# Allegro board 1155001-Timing_board_V3_20241024_1805_pcb.brd (continued)
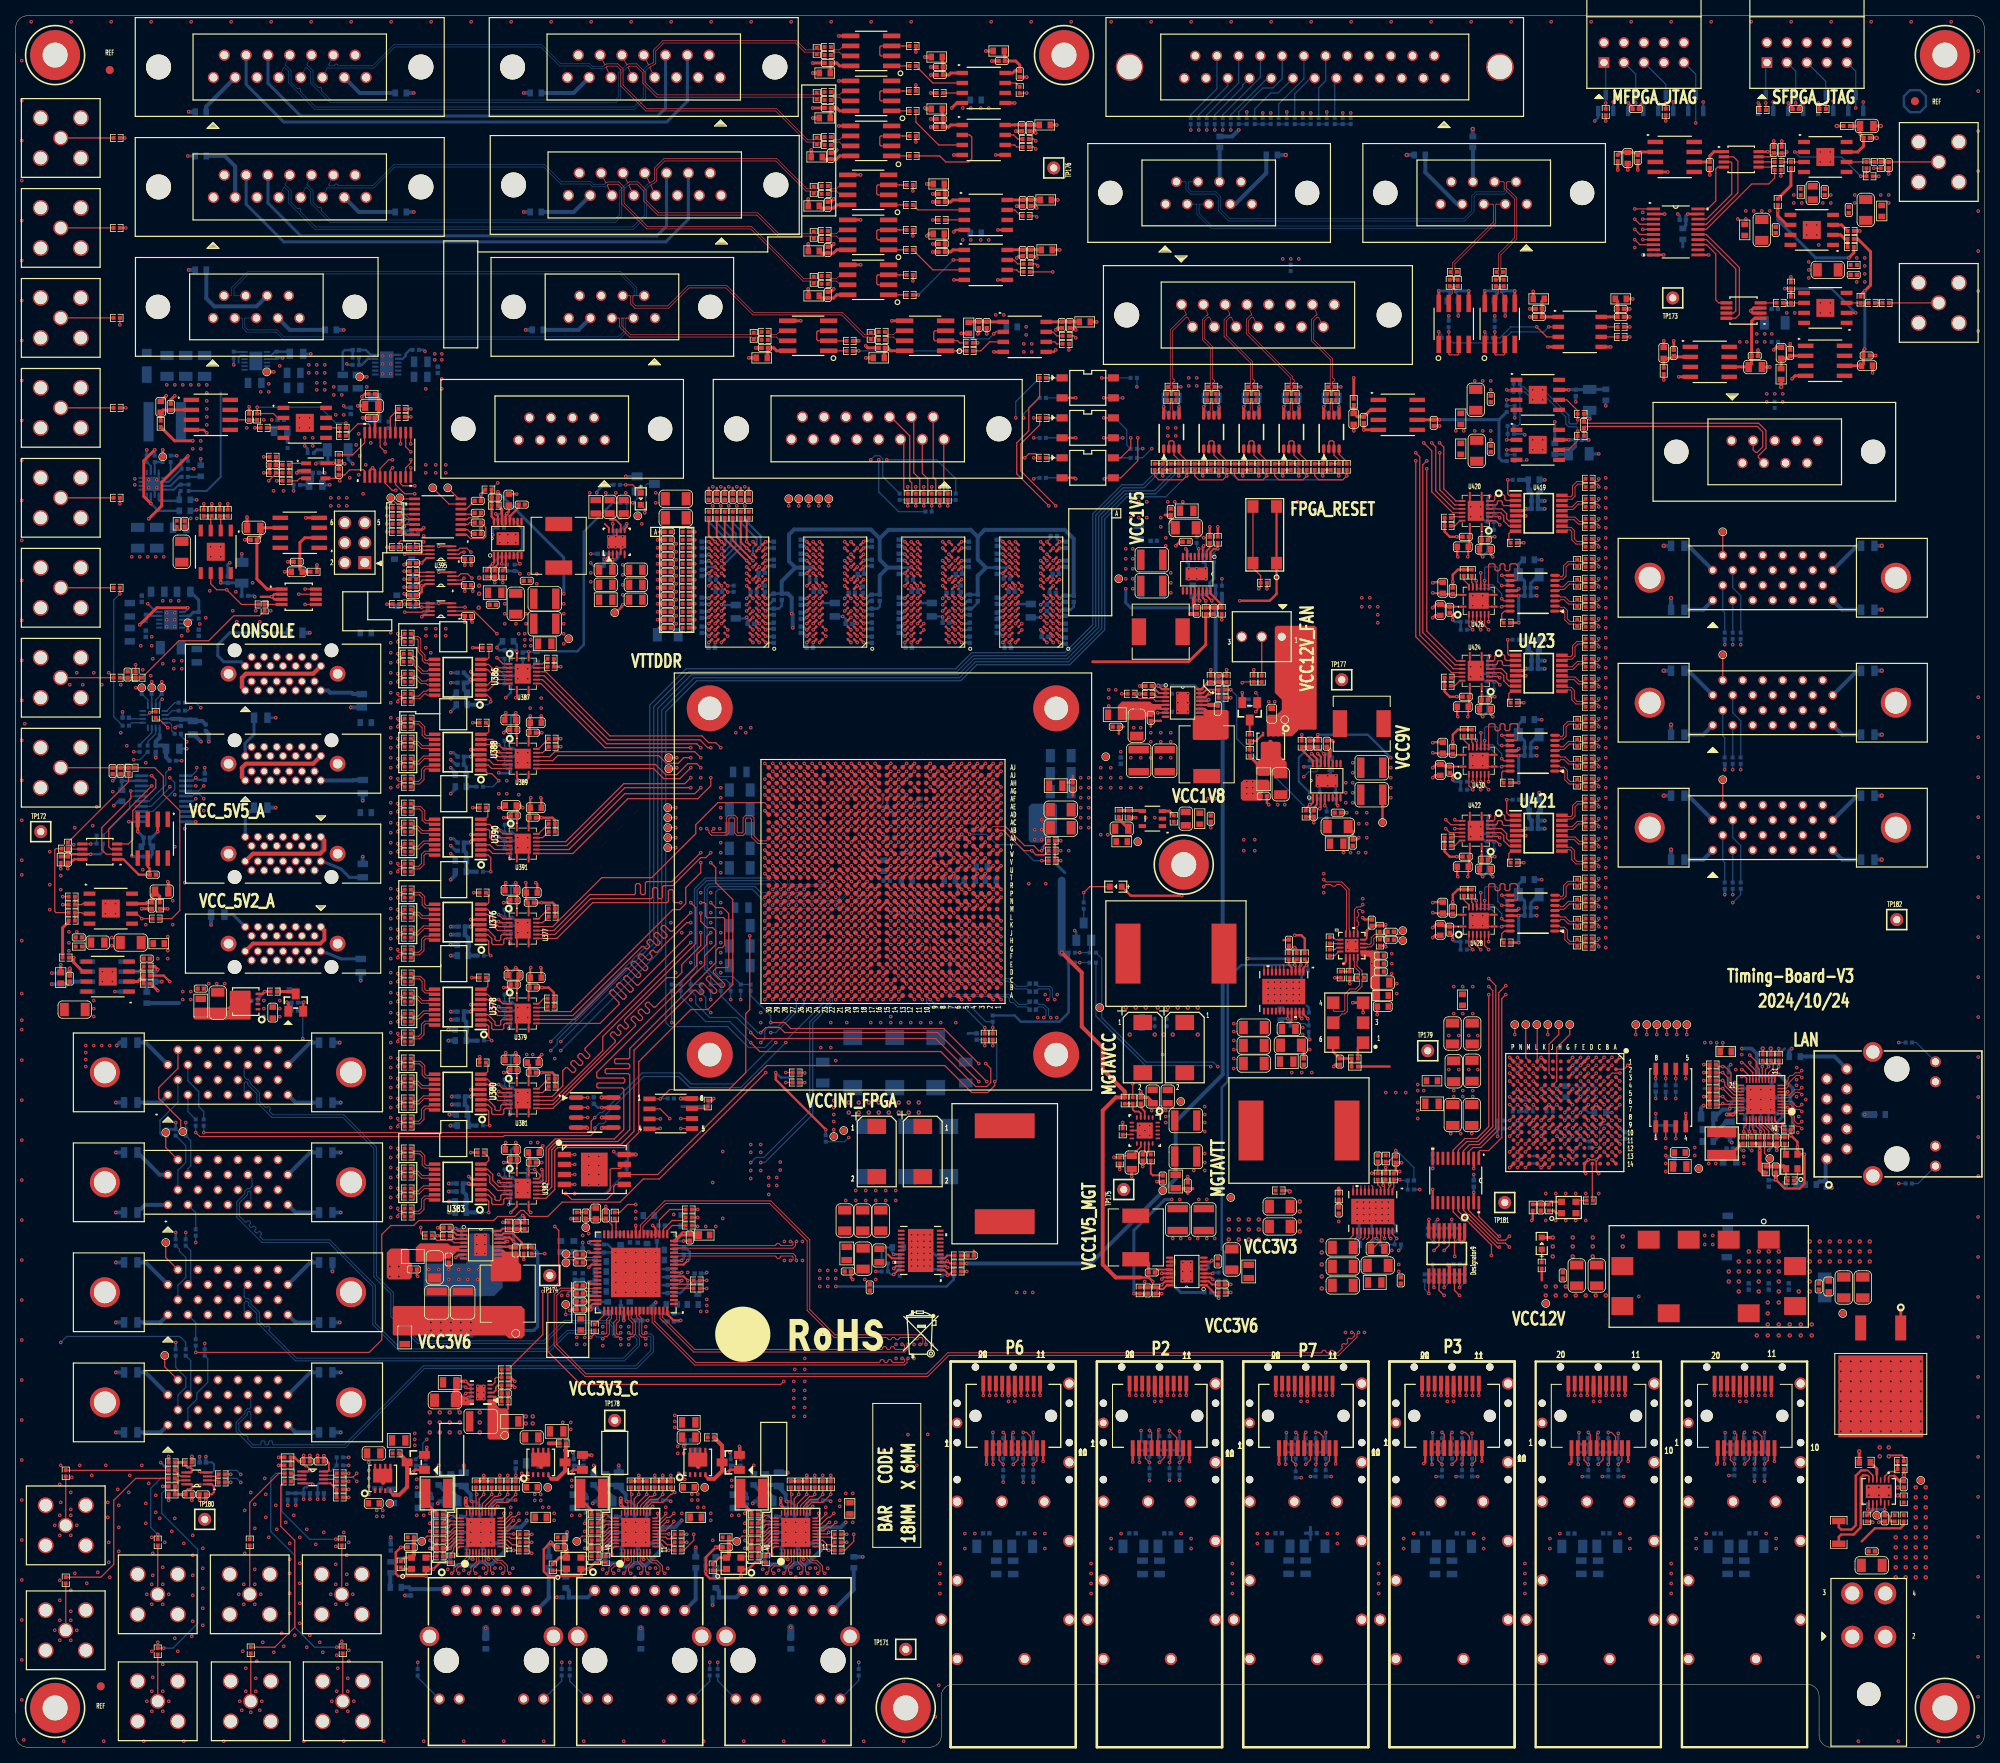
[diagram p0: board, top side]
## Routing (per net, layer and track width the routed paths; a pad name or vN(x,y) marks a point on that pad's centre or on a via; arc(x,y) is an arc through that point) (continued)
DDR3_A_CAS_B: length 110.1
  TOP w0.254: U75.K3 v1(117.72,148.37) ; U76.K3 v1(130.17,148.37) ; U78.K3 v1(105.27,148.37) ; U77.K3 v1(92.83,148.37) ; U247.AG9 v1(116.14,122) ; R481.2 v1(86.23,146.3)
  ART05 w0.102: 115.09,125.3 115.62,124.77 115.62,124.69 115.77,124.54 116.28,124.54 116.54,124.28 116.54,122.4 v1(116.14,122) ; v1(92.83,148.37) 93.23,148.77 104.87,148.77 v1(105.27,148.37) 105.67,148.77 117.32,148.77 v1(117.72,148.37) 118.12,148.77 129.77,148.77 v1(130.17,148.37) U76.K3 131.97,147.97 132.3,147.64
  ART05 w0.183: 115.09,125.3 112.06,128.33 112.06,133.95 112.25,134.13 114.59,134.13 114.78,134.31 114.78,134.68 114.59,134.86 112.25,134.86 112.06,135.05 112.06,135.53 112.25,135.72 114.92,135.72 115.1,135.9 115.1,136.27 114.92,136.45 112.25,136.45 112.06,136.63 112.06,136.99 112.26,137.19 116.12,137.19 117.41,138.48 128.12,138.48 129.24,139.59 132.41,139.59 133.22,140.4 133.22,146.71 132.3,147.64
  ART08 w0.102: v1(86.23,146.3) 87.12,147.19 87.12,147.32 88.17,148.37 v1(92.83,148.37)
DDR3_A_CKE: length 105.1
  TOP w0.254: U78.K9 v1(100.47,147.57) ; R483.2 v1(86.23,145.29) ; U76.K9 v1(125.37,147.57) ; U247.AE10 v1(116.14,120) ; U75.K9 v1(112.92,147.57) ; U77.K9 v1(88.03,147.57)
  ART08 w0.102: v1(125.37,147.57) 124.96,147.97 U75.K9 v1(112.92,147.57) 112.52,147.97 U78.K9 v1(100.47,147.57) 100.07,147.97 U77.K9 v1(88.03,147.57) 88.03,147.21 86.23,145.41 v1(86.23,145.29)
  ART08 w0.183: v1(125.37,147.57) 124.9,147.11 124.9,140.32 124.06,139.48 113.88,139.48 113.69,139.29 113.69,138.87 113.51,138.68 113.15,138.68 112.96,138.87 112.96,139.29 112.78,139.48 112,139.48 111.63,139.11 111.63,138.07 111.82,137.88 114.7,137.88 114.89,137.7 114.89,137.34 114.7,137.15 111.84,137.15 111.66,136.97 111.66,136.6 111.84,136.42 114.7,136.42 114.89,136.24 114.89,135.87 114.7,135.69 111.79,135.69 111.61,135.51 111.61,135.14 111.79,134.96 114.7,134.96 114.89,134.78 114.89,134.41 114.7,134.23 113.52,134.23 113.33,134.04 113.33,133.6 113.52,133.41 113.82,133.41 114.01,133.23 114.01,132.86 113.82,132.68 113.52,132.68 113.33,132.5 113.33,130.25 114.89,128.7 114.89,121.25 v1(116.14,120)
DDR3_A_CLK0_N: length 102.5
  TOP w0.183: U77.K7 v1(90.43,147.57) ; v1(115.32,147.57) 114.92,147.96 U75.K7 ; U76.K7 127.37,147.97 127.76,147.57 v1(127.77,147.57) ; U78.K7 102.47,147.96 v1(102.87,147.57) ; U247.AD11 v1(115.14,119)
  ART05 w0.102: v1(115.14,119) 114.84,119 114.74,119.1 114.74,120.83 112.74,122.83 112.74,125.43 112.79,125.47 112.79,125.5
  ART05 w0.145: 112.79,125.5 112.79,125.85 110.89,127.74 110.89,127.95 110.59,128.26 110.37,128.26 110.06,128.57 110.06,128.78 109.76,129.09 109.54,129.09 109.23,129.4 109.23,129.61 108.93,129.92 108.71,129.92 108.4,130.23 108.4,131.87 108.09,132.19 106.97,132.19 106.83,132.33 106.83,132.91 106.97,133.06 108.09,133.06 108.4,133.38 108.4,134.2 108.09,134.52 106.97,134.52 106.83,134.66 106.83,135.24 106.97,135.39 108.09,135.39 108.4,135.71 108.4,136.53 108.09,136.85 106.97,136.85 106.83,137 106.83,137.58 106.97,137.72 108.09,137.72 108.4,138.04 108.4,139.51 108.55,139.65 127.39,139.65 128.88,141.14 128.88,146.86 128.42,147.32 128.01,147.32 v1(127.77,147.57) 127.49,147.29 127.3,147.29 126.94,146.94 116.57,146.94 116.14,147.37 115.52,147.37 v1(115.32,147.57) 115,147.25 114.8,147.25 114.56,147.01 104.88,147.01 104.54,147.35 103.09,147.35 102.87,147.57 v1(102.87,147.57) 102.6,147.3 102.4,147.3 102.18,147.07 91.84,147.07 91.55,147.36 90.64,147.36 v1(90.43,147.57)
  BOTTOM w0.183: v1(90.43,147.57) 90.45,147.59 R488.2
DDR3_A_CLK0_P: length 102.1
  TOP w0.183: U77.J7 v1(90.43,146.77) ; U78.J7 v1(102.87,146.77) ; U247.AD12 v1(114.14,119) ; U76.J7 v1(127.76,146.77) ; U75.J7 v1(115.32,146.77)
  ART05 w0.102: 112.49,125.5 112.49,125.47 112.54,125.43 112.54,122.75 114.54,120.75 114.54,119.1 114.44,119 v1(114.14,119)
  ART05 w0.145: 102.87,146.77 102.86,146.77 102.65,146.98 102.51,146.98 102.3,146.78 91.72,146.78 91.43,147.06 90.72,147.06 v1(90.43,146.77) ; 102.87,146.77 v1(102.87,146.77) ; 102.87,146.77 103.15,147.05 104.42,147.05 104.76,146.71 114.68,146.71 114.93,146.96 115.13,146.96 v1(115.32,146.77) 115.62,147.07 116.02,147.07 116.45,146.64 127.06,146.64 127.42,147 127.54,147 v1(127.76,146.77) 128.02,147.02 128.3,147.02 128.58,146.74 128.58,145.66 128.43,145.51 128.43,145.07 128.58,144.92 128.58,144.48 128.43,144.33 128.43,143.9 128.58,143.74 128.58,141.26 127.27,139.95 124.19,139.95 124.04,140.1 123.61,140.1 123.46,139.95 123.02,139.95 122.87,140.1 122.43,140.1 122.28,139.95 108.43,139.95 108.11,139.63 108.11,138.16 107.96,138.02 106.85,138.02 106.53,137.7 106.53,136.87 106.85,136.55 107.96,136.55 108.11,136.41 108.11,135.83 107.96,135.69 106.85,135.69 106.53,135.37 106.53,134.54 106.85,134.22 107.96,134.22 108.11,134.08 108.11,133.5 107.96,133.35 106.85,133.35 106.53,133.04 106.53,132.21 106.85,131.89 107.96,131.89 108.11,131.75 108.11,130.1 112.49,125.72 112.49,125.5
  BOTTOM w0.183: v1(90.43,146.77) 90.45,146.79 R488.1
DDR3_A_D0: length 30.9
  TOP w0.254: U75.E3 v1(118.52,144.37) ; U247.AK6 v1(120.14,125)
  ART10 w0.102: 120.45,143.08 120.35,143.17 119.08,143.17 118.92,143.33 118.92,143.97 v1(118.52,144.37)
  ART10 w0.183: v1(120.14,125) 120.14,125.38 120.5,125.74 120.5,125.75 122.15,127.4 122.15,129.96 122.49,130.29 122.49,131.98 123.4,132.9 123.4,136.57 122.01,137.96 122.01,142.36 121.73,142.64 121.48,142.64 121.29,142.46 121.29,139.9 121.11,139.72 120.85,139.72 120.67,139.9 120.67,142.86 120.45,143.08
DDR3_A_D1: length 34.5
  TOP w0.254: U247.AG7 v1(119.14,122) ; U75.F7 v1(114.52,144.37)
  ART10 w0.102: 119.53,127.33 119.53,127.31 119.49,127.26 119.49,126.82 119.01,126.34 119.01,125.44 118.74,125.17 118.74,122.4 v1(119.14,122) ; 114.77,145.57 114.33,145.57 114.12,145.36 114.12,144.57 114.32,144.37 v1(114.52,144.37)
  ART10 w0.183: 119.53,127.33 120.67,128.47 120.67,136.96 119.6,138.03 118.88,138.03 117.04,139.86 117.04,142.47 115.98,143.54 115.98,144.55 117.17,145.74 117.17,146.31 116.67,146.81 116.41,146.81 115.17,145.57 114.77,145.57
DDR3_A_D2: length 31.5
  TOP w0.254: U247.AJ6 v1(120.14,124) ; U75.F2 v1(119.32,144.37)
  ART10 w0.102: v1(119.32,144.37) 119.72,143.97 120.37,143.97
  ART10 w0.183: 120.37,143.97 121.31,143.97 122.51,142.77 122.51,138.15 123.89,136.77 123.89,131.97 123.7,131.78 123.17,131.78 122.98,131.6 122.98,131.23 123.17,131.05 123.71,131.05 123.89,130.87 123.89,130.38 123.58,130.07 123.14,130.07 122.96,129.88 122.96,129.52 123.14,129.33 123.71,129.33 123.89,129.15 123.89,128.89 123.64,128.64 122.82,128.64 122.64,128.46 122.64,128.09 122.82,127.91 123.71,127.91 123.89,127.72 123.89,127.41 123.88,127.39 123.88,127.28 123.67,127.08 122.52,127.08 120.68,125.23 120.68,124.87 120.14,124.34 v1(120.14,124)
DDR3_A_D3: length 31.4
  TOP w0.254: U247.AK8 v1(118.14,124) ; U75.F8 v1(113.72,144.37)
  ART10 w0.102: v1(118.14,124) 118.2,124.06 118.2,126.76 118.56,127.12 118.56,127.58 ; v1(113.72,144.37) 114.12,143.97 114.12,142.55 114.16,142.51
  ART10 w0.183: 114.16,142.51 114.16,141.36 114.64,140.88 114.93,140.88 115.52,141.47 115.78,141.47 116.04,141.21 116.04,140.95 115.45,140.36 115.45,140.08 117.48,138.05 117.48,136.48 118.56,135.4 118.56,134.16 118.74,133.98 119.22,133.98 119.41,133.79 119.41,133.43 119.22,133.24 118.74,133.24 118.56,133.06 118.56,132.7 118.74,132.51 119.31,132.51 119.5,132.33 119.5,131.96 119.31,131.78 118.74,131.78 118.56,131.6 118.56,131.23 118.74,131.05 119.31,131.05 119.5,130.87 119.5,130.5 119.31,130.32 118.74,130.32 118.56,130.14 118.56,129.77 118.74,129.59 119.31,129.59 119.5,129.4 119.5,129.04 119.31,128.86 118.74,128.86 118.56,128.67 118.56,127.58
DDR3_A_D4: length 28.5
  TOP w0.254: U247.AK4 v1(122.14,125) ; U75.H3 v1(118.52,145.97)
  ART10 w0.102: 120.37,145.57 118.92,145.57 v1(118.52,145.97)
  ART10 w0.183: v1(122.14,125) 122.5,125 123.6,126.1 124.07,126.1 124.87,126.9 124.87,137.17 123.49,138.55 123.49,144.39 122.31,145.57 120.37,145.57
DDR3_A_D5: length 31.5
  TOP w0.254: U75.H8 v1(113.72,145.97) ; U247.AJ8 v1(118.14,123)
  ART10 w0.102: v1(118.14,123) 117.74,123.4 117.74,125.18 117.79,125.23 117.79,126.96 118.07,127.24 118.07,127.71 ; 113.32,140.18 113.32,145.7 113.59,145.97 v1(113.72,145.97)
  ART10 w0.183: 118.07,127.71 118.07,135.2 116.47,136.8 116.47,137.06 116.99,137.58 116.99,137.84 116.73,138.1 116.47,138.1 115.95,137.58 115.69,137.58 115.43,137.84 115.43,138.09 115.96,138.62 115.96,138.88 115.7,139.14 115.44,139.14 114.91,138.61 114.66,138.61 114.4,138.87 114.4,139.13 114.69,139.42 114.69,139.68 114.43,139.94 114.17,139.94 113.88,139.65 113.62,139.65 113.32,139.95 113.32,140.18
DDR3_A_D6: length 29.2
  TOP w0.254: U247.AK5 v1(121.14,125) ; U75.G2 v1(119.32,145.17)
  ART10 w0.102: v1(119.32,145.17) 119.72,144.77 120.37,144.77
  ART10 w0.183: v1(121.14,125) 121.14,124.6 121.31,124.43 121.5,124.43 121.68,124.61 121.68,125.43 121.86,125.61 122.38,125.61 122.74,125.97 122.74,126.41 122.92,126.59 123.87,126.59 124.38,127.1 124.38,136.97 123,138.35 123,142.87 122.15,143.72 122.15,143.98 122.55,144.37 122.55,144.63 122.29,144.89 122.03,144.89 121.63,144.49 121.37,144.49 121.1,144.77 120.37,144.77
DDR3_A_D7: length 33.9
  TOP w0.254: U247.AF8 v1(118.14,121) ; U75.H7 v1(114.52,145.97)
  ART10 w0.102: 117.58,127.91 117.58,127.49 117.39,127.29 117.39,125.39 117.33,125.33 117.33,124.43 117.54,124.22 117.54,121.6 v1(118.14,121)
  ART10 w0.183: v1(114.52,145.97) 113.55,146.94 111.47,146.94 111.14,146.61 111.14,146.15 112.48,144.8 112.48,139.97 117.58,134.87 117.58,127.91
DDR3_A_D8: length 27.8
  TOP w0.254: U247.AJ3 v1(122.14,123) ; U75.D7 v1(114.52,142.77)
  ART03 w0.102: 121.25,125.47 121.54,125.18 121.54,124.51 121.67,124.38 121.67,123.47 v1(122.14,123) ; v1(114.52,142.77) 114.12,142.37 114.12,140.03
  ART03 w0.183: 114.12,140.03 114.12,139.75 113.87,139.5 113.87,139.2 114.14,138.93 114.4,138.93 114.71,139.23 114.97,139.23 115.23,138.97 115.23,138.71 114.92,138.41 114.92,138.15 115.18,137.89 115.44,137.89 115.61,138.06 115.86,138.06 116.12,137.8 116.12,137.54 115.95,137.37 115.95,137.12 118.4,134.67 118.4,128.32 118.7,128.02 118.7,127.76 118.4,127.47 118.4,127.21 118.66,126.95 118.92,126.95 119.21,127.25 119.47,127.25 121.25,125.47
DDR3_A_D9: length 26.3
  TOP w0.254: U247.AH2 v1(124.14,123) ; U75.C3 v1(118.52,141.97)
  ART03 w0.102: v1(124.14,123) 123.71,123.43 123.71,125.31 123.9,125.5
  ART03 w0.183: 123.9,125.5 124.05,125.65 124.05,128.74 121.21,131.57 121.21,132.01 121.4,132.19 121.69,132.19 121.89,132.4 121.89,132.72 121.69,132.92 121.4,132.92 121.21,133.11 121.21,136.99 120.45,137.75 120.45,138.01 120.78,138.35 120.78,138.61 120.52,138.86 120.26,138.86 119.95,138.55 119.58,138.55 117.33,140.81 117.33,141.26 117.57,141.5 118.05,141.5 v1(118.52,141.97)
DDR3_A_D10: length 29.8
  TOP w0.254: U75.C8 v1(113.72,141.97) ; U247.AH6 v1(120.14,123)
  ART03 w0.102: 112.57,142.37 113.32,142.37 v1(113.72,141.97) ; v1(120.14,123) 119.68,123.45 119.68,124.26 119.43,124.51 118.77,124.51
  ART03 w0.183: 112.57,142.37 112.4,142.37 112.37,142.4 112.37,143 112.11,143.26 111.22,143.26 110.98,143.02 110.98,140.71 117.42,134.26 117.42,124.84 117.75,124.51 118.77,124.51
DDR3_A_D11: length 23.4
  TOP w0.254: U75.C2 v1(119.32,141.97) ; U247.AJ1 v1(125.14,124)
  ART03 w0.102: v1(125.14,124) 125.14,124.3 125.63,124.79 125.63,125.5 ; v1(119.32,141.97) 119.72,141.57 120.43,141.57
  ART03 w0.183: 120.43,141.57 122.04,141.57 123.46,140.15 123.46,137.99 123.93,137.53 123.93,133.43 125.63,131.73 125.63,125.5
DDR3_A_D12: length 29.3
  TOP w0.254: U247.AJ4 v1(122.14,124) ; U75.A7 v1(114.52,140.37)
  ART03 w0.102: v1(122.14,124) 122.14,124.42 121.74,124.82 121.74,125.5
  ART03 w0.183: v1(114.52,140.37) 116.04,138.85 116.04,138.57 116.42,138.19 116.7,138.19 117.07,137.82 117.07,137.56 116.76,137.26 116.76,137 117.02,136.74 117.28,136.74 117.59,137.05 117.84,137.05 118.1,136.79 118.1,136.46 117.84,136.2 117.84,135.92 118.89,134.87 118.89,130.76 119.66,129.99 119.66,129.4 118.96,128.71 118.96,128.46 119.24,128.19 119.49,128.19 120.55,129.25 120.81,129.25 121.07,128.99 121.07,128.73 120.01,127.67 120.01,127.41 120.21,127.21 120.47,127.21 121.46,128.2 121.72,128.2 121.98,127.94 121.98,127.68 121.06,126.76 121.06,126.36 121.74,125.68 121.74,125.5
DDR3_A_D13: length 24.8
  TOP w0.254: U75.A2 v1(119.32,140.37) ; U247.AK1 v1(125.14,125)
  ART03 w0.102: 120.34,140.77 119.61,140.77 119.32,140.48 v1(119.32,140.37) ; 125.14,125.5 v1(125.14,125)
  ART03 w0.183: 120.34,140.77 120.67,140.45 121.21,140.45 121.39,140.26 121.39,140.01 121.2,139.82 121.2,139.56 121.43,139.33 121.82,139.33 122,139.52 122.26,139.52 122.52,139.26 122.52,139 122.27,138.75 122.27,138.5 123.44,137.33 123.44,132.21 123.62,132.03 124.63,132.03 124.82,131.85 124.82,131.48 124.63,131.3 123.62,131.3 123.44,131.12 123.44,130.75 123.62,130.57 124.96,130.57 125.14,130.38 125.14,125.5
DDR3_A_D14: length 29.7
  TOP w0.254: U75.B8 v1(113.72,141.17) ; U247.AH5 v1(121.14,123)
  ART03 w0.102: v1(113.72,141.17) 113.32,141.57 112.64,141.57 112.63,141.58 ; 120.61,125.42 120.7,125.33 120.7,123.44 v1(121.14,123)
  ART03 w0.183: 120.61,125.42 120.35,125.68 119.77,125.68 119.59,125.86 119.59,126.23 119.41,126.42 119.04,126.42 118.86,126.23 118.86,125.4 118.68,125.22 118.09,125.22 117.91,125.4 117.91,134.47 112.3,140.08 112.3,140.36 111.93,140.74 111.64,140.74 111.39,140.99 111.39,141.39 111.57,141.58 112.63,141.58
DDR3_A_D15: length 26.8
  TOP w0.254: U247.AJ2 v1(124.14,124) ; U75.A3 v1(118.52,140.37)
  ART03 w0.102: 124.54,125.5 124.54,124.4 v1(124.14,124)
  ART03 w0.183: v1(118.52,140.37) 119.46,139.44 120.64,139.44 121.6,138.47 121.6,138.21 121.27,137.88 121.27,137.62 121.53,137.36 121.79,137.36 122.12,137.69 122.38,137.69 122.95,137.12 122.95,136.81 122.77,136.63 121.88,136.63 121.7,136.45 121.7,136.08 121.88,135.9 122.4,135.9 122.58,135.71 122.58,135.35 122.4,135.17 121.88,135.17 121.7,134.98 121.7,134.62 121.88,134.43 122.77,134.43 122.95,134.25 122.95,133.89 122.77,133.7 122.33,133.7 122.15,133.52 122.15,133.15 122.33,132.97 122.77,132.97 122.95,132.79 122.95,130.52 124.54,128.94 124.54,125.5
DDR3_A_D16: length 46.7
  TOP w0.254: U247.AE4 v1(122.14,120) ; U76.E3 v1(130.97,143.57)
  ART10 w0.102: 125.64,118.68 125.39,118.68 125.31,118.6 122.8,118.6 122.61,118.8 122.61,119.13 122.14,119.59 v1(122.14,120) ; v1(130.97,143.57) 131.37,143.17 131.98,143.17 132.17,142.98 132.17,140.15
  ART10 w0.183: 132.17,140.15 132.17,139.68 132.35,139.5 132.82,139.5 133.01,139.68 133.01,141.98 133.19,142.16 133.56,142.16 133.74,141.98 133.74,139.06 133.56,138.88 133.2,138.88 133.01,138.69 133.01,138.33 133.2,138.15 133.56,138.15 133.74,137.96 133.74,136.9 135.16,135.48 135.16,130.6 133.31,128.75 133.31,128.49 133.49,128.31 133.68,128.31 133.86,128.13 133.86,127.76 133.68,127.58 133.15,127.58 132.97,127.4 132.97,127.03 133.15,126.85 133.73,126.85 133.91,126.66 133.91,126.3 133.73,126.12 133.15,126.12 132.97,125.93 132.97,124.74 126.91,118.68 125.64,118.68
DDR3_A_D17: length 45.1
  TOP w0.254: U247.AE3 v1(123.14,120) ; U76.F7 v1(126.97,144.37)
  ART10 w0.102: 126.09,120.9 125.79,120.6 123.4,120.6 123.14,120.34 v1(123.14,120) ; 126.7,142.27 126.57,142.4 126.57,143.97 v1(126.97,144.37)
  ART10 w0.183: 126.09,120.9 127.65,122.46 127.65,122.71 127.47,122.89 127.47,123.15 127.73,123.41 127.99,123.41 128.16,123.23 128.42,123.23 128.68,123.49 128.68,123.75 128.05,124.38 128.05,124.64 128.31,124.9 128.56,124.9 129.2,124.27 129.46,124.27 130.63,125.44 130.63,127.41 127.91,130.12 127.91,134.43 128.14,134.65 128.14,135.39 127.96,135.57 127.96,135.93 128.14,136.12 129.85,136.12 130.04,136.3 130.04,136.67 129.85,136.85 128.14,136.85 127.96,137.03 127.96,137.4 128.14,137.58 129.85,137.58 130.04,137.76 130.04,138.13 129.85,138.31 128.14,138.31 127.96,138.5 127.96,138.86 128.14,139.04 128.96,139.04 129.14,139.23 129.14,139.59 128.96,139.78 128.14,139.78 127.96,139.96 127.96,141 127.78,141.19 127.52,141.19 127.4,141.07 127.14,141.07 126.89,141.33 126.89,141.59 126.98,141.69 126.98,141.98 126.7,142.27
DDR3_A_D18: length 46.7
  TOP w0.254: U247.AF5 v1(121.14,121) ; U76.F2 v1(131.77,144.37)
  ART10 w0.102: v1(121.14,121) 121.49,121 121.74,120.75 121.74,118.83 122.18,118.4 125.39,118.4 125.6,118.19 125.91,118.19 ; 133.05,143.84 132.92,143.97 131.9,143.97 131.77,144.1 v1(131.77,144.37)
  ART10 w0.183: 125.91,118.19 127.11,118.19 135.12,126.2 135.12,126.59 134.94,126.77 134.48,126.77 134.3,126.95 134.3,127.32 134.48,127.5 134.94,127.5 135.12,127.69 135.12,128.05 134.94,128.23 134.56,128.23 134.38,128.42 134.38,128.78 134.56,128.97 134.94,128.97 135.65,129.67 135.65,136.35 134.94,137.06 134.67,137.06 134.49,137.24 134.49,137.61 134.67,137.79 134.94,137.79 135.12,137.97 135.12,138.36 134.69,138.79 134.41,138.79 134.23,138.97 134.23,139.34 134.41,139.52 134.68,139.52 134.87,139.7 134.87,140.07 134.68,140.25 134.41,140.25 134.23,140.43 134.23,140.8 134.41,140.98 134.68,140.98 134.87,141.16 134.87,142.02 134.01,142.87 133.32,142.87 133.11,143.09 133.11,143.77 133.05,143.84
DDR3_A_D19: length 41.6
  TOP w0.254: U76.F8 v1(126.17,144.37) ; U247.AF1 v1(125.14,121)
  ART10 w0.102: 125.77,140.17 125.77,144.21 125.93,144.37 v1(126.17,144.37)
  ART10 w0.183: 125.77,140.17 125.77,140.15 125.93,139.98 125.93,139.72 125.47,139.26 125.47,138.93 125.66,138.74 125.99,138.74 127.03,139.78 127.36,139.78 127.56,139.57 127.56,139.24 126.57,138.25 126.57,138 127.43,137.14 127.43,129.27 127.66,129.04 128.3,129.04 128.48,128.86 128.48,128.5 128.3,128.31 127.66,128.31 127.47,128.13 127.47,127.76 127.66,127.58 128.7,127.58 128.89,127.4 128.89,127.05 128.7,126.87 127.67,126.87 127.47,126.67 127.47,126.32 127.66,126.14 128.83,126.14 129.01,125.95 129.01,125.59 128.83,125.4 127.67,125.4 127.47,125.2 127.47,123.84 127.07,123.44 126.59,123.44 126.41,123.62 125.78,123.62 125.6,123.44 124.8,123.44 124.58,123.21 124.58,122.83 124.76,122.64 126.41,122.64 126.59,122.46 126.59,122.09 126.41,121.91 125.76,121.91 125.58,121.73 125.58,121.18 125.39,121 v1(125.14,121)
DDR3_A_D20: length 46
  TOP w0.254: U247.AF6 v1(120.14,121) ; U76.H3 v1(130.96,145.97)
  ART10 w0.102: v1(120.14,121) 120.59,120.55 121.36,120.55 121.54,120.37 121.54,117.96 121.89,117.6 125.32,117.6 125.43,117.7 125.64,117.7 ; v1(130.96,145.97) 130.96,145.08 131.28,144.77 132.92,144.77 133.06,144.64
  ART10 w0.183: 133.06,144.64 135.2,142.5 136.13,140.24 136.13,127.37 135.53,125.93 127.31,117.7 125.64,117.7
DDR3_A_D21: length 43.2
  TOP w0.254: U76.H8 v1(126.17,145.97) ; U247.AF2 v1(123.14,121)
  ART10 w0.102: v1(123.14,121) 123.14,121.21 123.62,121.69 123.62,124.13 123.96,124.47 125.64,124.47
  ART10 w0.183: 125.64,124.47 125.74,124.47 125.91,124.64 126.8,124.64 126.98,124.82 126.98,125.19 126.8,125.37 125.77,125.37 125.59,125.55 125.59,125.92 125.77,126.1 126.8,126.1 126.98,126.28 126.98,126.65 126.8,126.83 126.25,126.83 126.06,127.01 126.06,128.52 126.25,128.71 126.76,128.71 126.94,128.89 126.94,129.26 126.76,129.44 126.25,129.44 126.06,129.62 126.06,129.99 126.25,130.17 126.76,130.17 126.94,130.35 126.94,130.72 126.76,130.9 126.25,130.9 126.06,131.08 126.06,131.45 126.25,131.63 126.76,131.63 126.94,131.82 126.94,132.18 126.76,132.36 126.25,132.36 126.06,132.55 126.06,132.91 126.25,133.1 126.76,133.1 126.94,133.28 126.94,133.64 126.76,133.83 126.25,133.83 126.06,134.01 126.06,134.38 126.25,134.56 126.76,134.56 126.94,134.74 126.94,135.11 126.76,135.29 126.25,135.29 126.06,135.47 126.06,135.84 126.25,136.02 126.76,136.02 126.94,136.2 126.94,136.57 126.76,136.75 126.25,136.75 126.06,136.94 126.06,137.64 124.69,139.01 124.69,146.16 125.03,146.49 125.98,146.49 126.17,146.31 v1(126.17,145.97)
DDR3_A_D22: length 47.3
  TOP w0.254: U76.G2 v1(131.77,145.17) ; U247.AE5 v1(121.14,120)
  ART10 w0.102: v1(131.77,145.17) 132.17,145.57 132.81,145.57 132.92,145.47 ; v1(121.14,120) 120.74,119.6 120.74,117.83 121.18,117.4 125.32,117.4 125.51,117.22 125.68,117.22
  ART10 w0.183: 125.68,117.22 127.52,117.22 136.62,126.32 136.62,141.76 135.42,142.96 135.42,143.22 135.55,143.36 135.55,143.62 135.3,143.88 135.04,143.88 134.9,143.74 134.64,143.74 134.38,144 134.38,144.26 134.64,144.51 134.64,144.77 134.38,145.03 134.12,145.03 133.87,144.78 133.61,144.78 132.92,145.47
DDR3_A_D23: length 45.3
  TOP w0.254: U76.H7 v1(126.97,145.97) ; U247.AG5 v1(121.14,122)
  ART10 w0.102: v1(121.14,122) 121.44,122 121.95,122.52 122.36,122.52 122.66,122.81 122.66,123.6 123.57,124.51 123.57,125.2 123.83,125.45 123.98,125.45 ; v1(126.97,145.97) 127.36,146.37 127.36,147.86
  ART10 w0.183: 123.98,125.45 124.43,125.45 125.58,126.59 125.58,137.44 124.18,138.84 124.18,146.28 123.34,147.12 123.34,147.93 123.16,148.12 122.15,148.12 121.97,148.3 121.97,148.84 122.17,149.05 123.37,149.05 124.09,148.32 124.09,147.35 124.28,147.17 124.64,147.17 124.83,147.35 124.83,148.55 125.01,148.73 125.48,148.73 125.66,148.55 125.66,148.21 125.84,148.03 126.21,148.03 126.39,148.21 126.39,148.55 126.57,148.73 127.61,148.73 127.74,148.6 127.74,148.23 127.36,147.86
DDR3_A_D24: length 39.6
  TOP w0.254: U76.D7 v1(126.97,142.77) ; U247.AD4 v1(122.14,119)
  ART03 w0.102: v1(122.14,119) 122.28,119 122.56,119.28 122.56,120.47 122.68,120.6 125.4,120.6 125.65,120.85 125.85,120.85 126.01,121.01 ; 126.72,139.8 126.57,139.96 126.57,142.62 126.72,142.77 v1(126.97,142.77)
  ART03 w0.183: 126.72,139.8 127.04,139.48 127.04,138.51 127.23,138.33 128.24,138.33 128.43,138.14 128.43,137.78 128.24,137.59 127.35,137.59 127.16,137.41 127.16,137.04 127.35,136.86 128.24,136.86 128.43,136.68 128.43,136.31 128.24,136.13 127.04,136.13 126.86,135.95 126.86,135.58 127.04,135.4 128.41,135.4 128.6,135.22 128.6,134.85 128.41,134.67 127.08,134.67 126.88,134.47 126.88,133.86 127.43,133.31 127.43,129.77 127.62,129.59 128.19,129.59 128.37,129.4 128.37,129.04 128.19,128.86 127.62,128.86 127.43,128.67 127.43,128.31 127.62,128.12 127.85,128.12 128.03,127.94 128.03,127.58 127.85,127.39 127.62,127.39 127.43,127.21 127.43,124.5 126.57,123.64 126.57,121.57 126.01,121.01
DDR3_A_D25: length 41.3
  TOP w0.254: U76.C3 v1(130.97,141.97) ; U247.AC4 v1(122.14,118)
  ART03 w0.102: 127.25,119.21 127.22,119.21 126.9,118.89 125.59,118.89 125.3,118.6 122.74,118.6 v1(122.14,118)
  ART03 w0.183: v1(130.97,141.97) 130.79,141.97 129.67,143.09 129.67,143.49 129.46,143.7 129.08,143.7 128.91,143.53 128.91,142.6 130.5,141.01 130.5,138.89 130.77,138.62 130.77,136.83 130.95,136.65 131.32,136.65 131.32,136.65 131.89,136.65 135.11,133.43 135.11,129.99 134.69,129.57 133.58,129.57 132.44,128.42 132.44,124.4 127.25,119.21
DDR3_A_D26: length 41.8
  TOP w0.254: U76.C8 v1(126.17,141.97) ; U247.AE6 v1(120.14,120)
  ART03 w0.102: v1(120.14,120) 120.54,120.4 120.54,121.33 120.81,121.6 125.46,121.6 125.64,121.78 125.64,121.97 ; v1(126.17,141.97) 125.77,141.57 125.06,141.57
  ART03 w0.183: 125.06,141.57 124.43,141.57 124.25,141.75 124.25,145.24 124.02,145.47 123.64,145.47 123.46,145.28 123.46,144.74 123.28,144.56 122.38,144.56 122.2,144.37 122.2,144.01 122.38,143.82 123.28,143.82 123.46,143.64 123.46,141.21 124.16,140.51 124.16,138.3 124.66,137.79 124.66,133.68 126.46,131.88 126.46,124.91 125.64,124.09 125.64,121.97
DDR3_A_D27: length 41.6
  TOP w0.254: U247.AC7 v1(119.14,118) ; U76.C2 v1(131.77,141.97)
  ART03 w0.102: 132.89,141.57 132.38,141.57 132.01,141.73 v1(131.77,141.97) ; v1(119.14,118) 119.47,117.67 120.13,117.4 128.17,117.4 128.37,117.6 128.4,117.6
  ART03 w0.183: 128.4,117.6 137.06,126.27 137.06,137.83 133.33,141.57 132.89,141.57
DDR3_A_D28: length 40.3
  TOP w0.254: U76.A7 v1(126.97,140.37) ; U247.AD3 v1(123.14,119)
  ART03 w0.102: 126.32,120.62 126.09,120.4 123.83,120.4 123.7,120.27 123.7,119.56 v1(123.14,119)
  ART03 w0.183: 126.32,120.62 127.06,121.37 127.06,123.44 128.08,124.46 130.01,124.46 130.2,124.65 130.2,125.01 130.01,125.19 128.1,125.19 127.92,125.38 127.92,125.74 128.1,125.93 130.28,125.93 130.46,126.11 130.46,126.47 130.28,126.66 128.53,126.66 128.35,126.84 128.35,127.21 128.53,127.39 130.42,127.39 130.61,127.57 130.61,127.94 130.42,128.12 128.97,128.12 128.79,128.3 128.79,128.67 128.97,128.85 129.22,128.85 129.4,129.03 129.4,129.4 129.22,129.58 128.88,129.58 128.23,130.24 128.23,133.69 129.08,134.54 129.08,135.48 128.92,135.65 128.92,138.42 v1(126.97,140.37)
DDR3_A_D29: length 42.1
  TOP w0.254: U247.AC5 v1(121.14,118) ; U76.A2 v1(131.77,140.37)
  ART03 w0.102: 132.82,140.77 132.17,140.77 v1(131.77,140.37) ; v1(121.14,118) 121.54,117.6 126.87,117.6 126.99,117.72 127.82,117.72 127.94,117.83
  ART03 w0.183: 127.94,117.83 134.49,124.38 134.49,124.64 134.01,125.13 134.01,125.38 134.27,125.64 134.53,125.64 135.01,125.16 135.27,125.16 135.53,125.42 135.53,125.68 135.38,125.83 135.38,126.09 135.64,126.34 135.89,126.34 136.04,126.2 136.3,126.2 136.58,126.47 136.58,137.44 135.38,138.63 135.12,138.63 134.91,138.42 134.65,138.42 134.39,138.68 134.39,138.94 134.61,139.15 134.61,139.41 134.35,139.67 134.09,139.67 133.88,139.45 133.62,139.45 133.36,139.71 133.36,139.97 133.57,140.18 133.57,140.44 133.25,140.77 132.82,140.77
DDR3_A_D30: length 41.7
  TOP w0.254: U247.AD6 v1(120.14,119) ; U76.B8 v1(126.17,141.17)
  ART03 w0.102: 126.09,121.95 126.09,121.72 125.77,121.4 120.89,121.4 120.74,121.25 120.74,119.6 v1(120.14,119) ; 125.15,140.77 125.77,140.77 v1(126.17,141.17)
  ART03 w0.183: 125.15,140.77 124.84,140.77 124.64,140.57 124.64,139.86 124.95,139.55 126.28,139.55 126.46,139.37 126.46,139 126.28,138.82 125.06,138.82 124.88,138.64 124.88,138.27 125.06,138.09 126.51,138.09 126.69,137.91 126.69,137.54 126.51,137.36 125.33,137.36 125.15,137.17 125.15,136.81 125.33,136.63 126.21,136.63 126.39,136.44 126.39,136.08 126.21,135.89 125.33,135.89 125.15,135.71 125.15,135.35 125.33,135.16 126.06,135.16 126.24,134.98 126.24,134.61 126.06,134.43 125.33,134.43 125.15,134.25 125.15,133.88 125.64,133.39 125.9,133.39 126.15,133.64 126.41,133.64 126.67,133.38 126.67,133.13 126.42,132.87 126.42,132.61 126.95,132.09 126.95,124.71 126.09,123.85 126.09,121.95